# KiCad board baseboard.kicad_pcb
title: 1590N1 BASEBOARD - PCB; date: 2023-08-19; rev: A; company: Alessandro Rizzoni; note: PCB; note: DRAFT; note: AIR
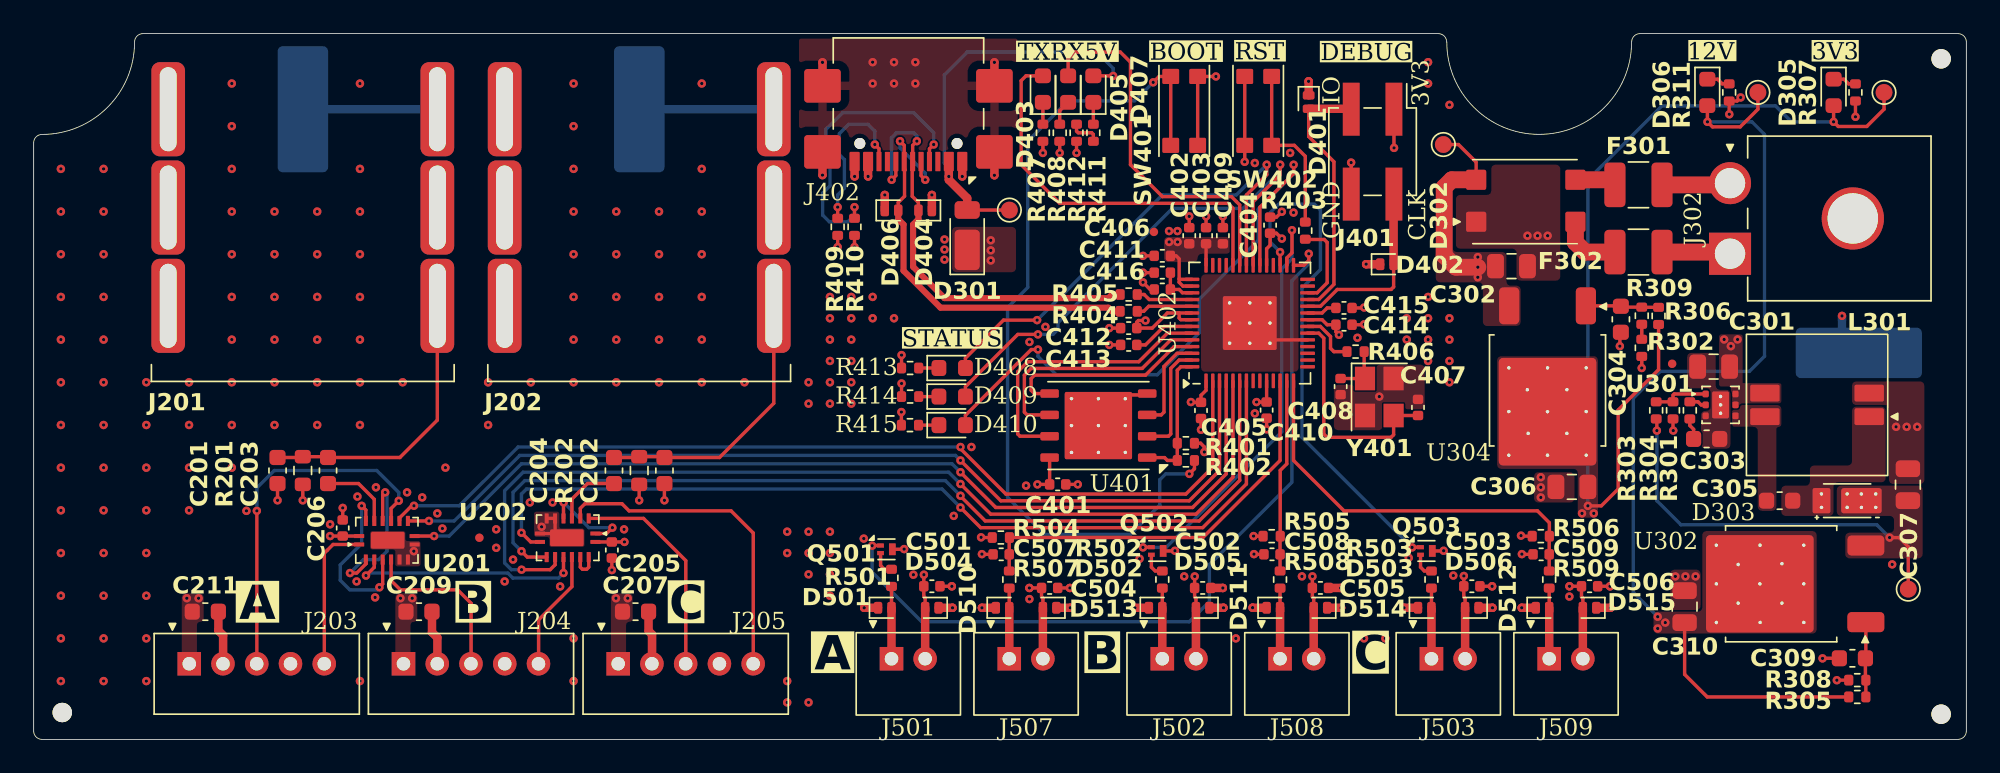
[diagram p0: board, top side]
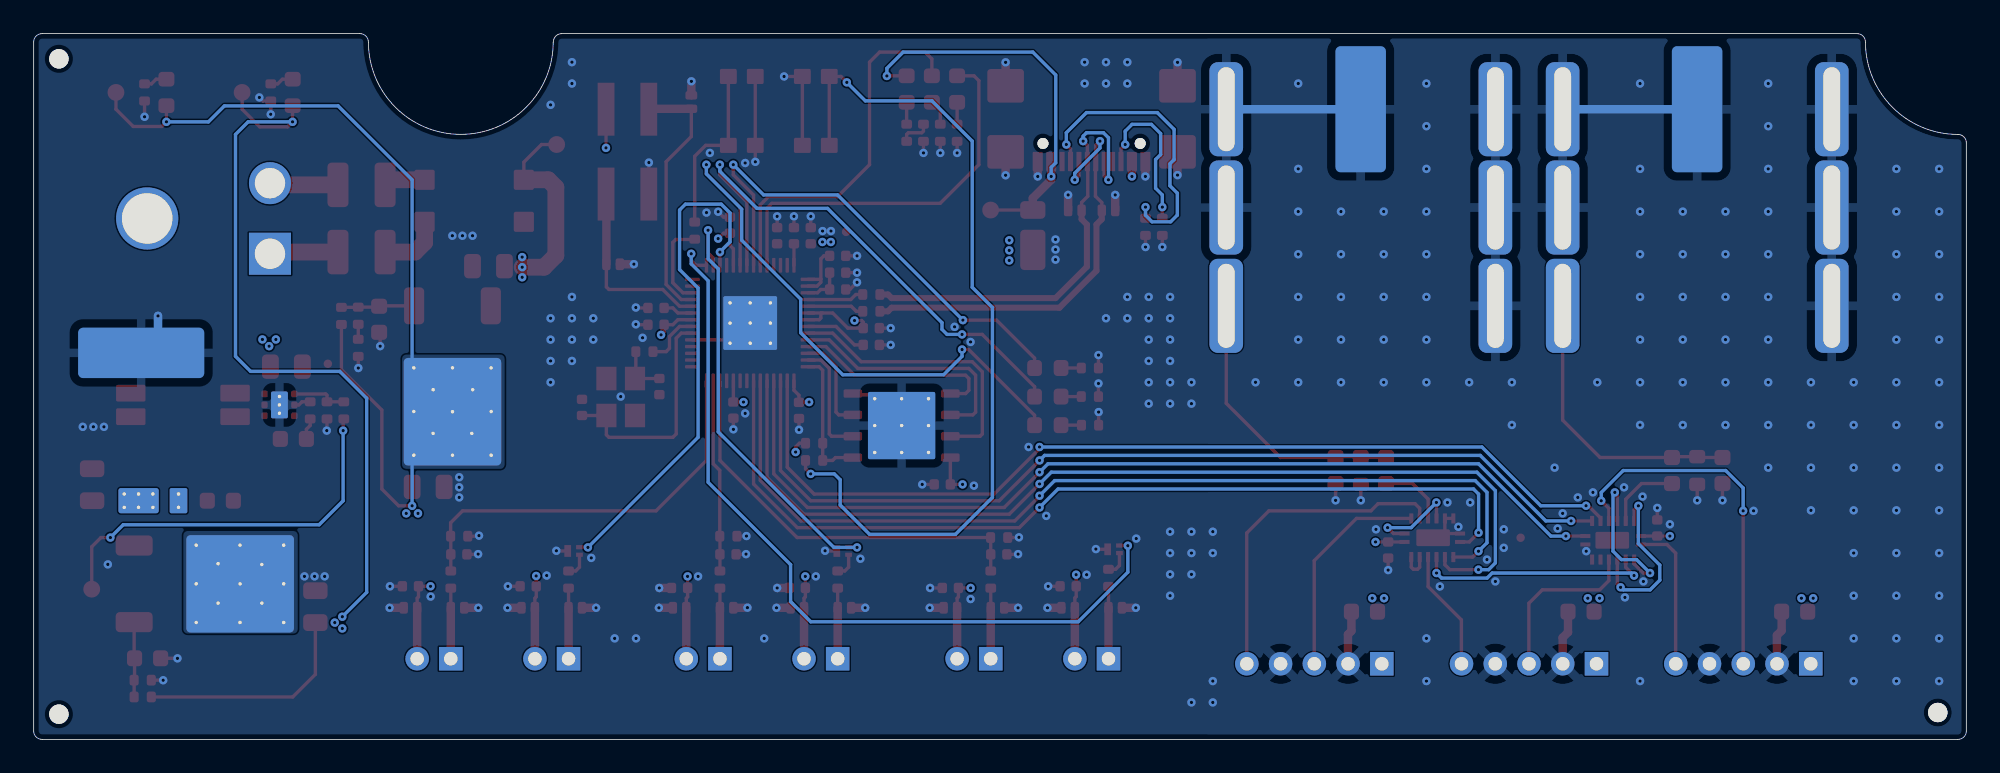
[diagram p1: board, bottom side, seen from below]

Outline 114.9 x 42 mm; copper layers: Top, In1.Cu (plane), In2.Cu (plane), Bottom. Coordinates in mm from the lower left corner of the outline.
Outline path: 83.5,42 6.5,42 arc(6.15,41.85) 6,41.5 arc(4.39,37.61) 0.5,36 arc(0.15,35.85) 0,35.5 0,0.5 arc(0.15,0.15) 0.5,0 114.4,0 arc(114.75,0.15) 114.9,0.5 114.9,41.5 arc(114.75,41.85) 114.4,42 95.5,42 arc(95.15,41.85) 95,41.5 ; 83.51,42 arc(83.86,41.85) 84.01,41.5 ; 95,41.49 arc(89.5,36.01) 84.01,41.5
Stack: Top 0.035mm / dielectric 0.1mm FR4 er 4.5 / In1.Cu 0.0152mm / dielectric 1.2796mm Copper er 4.5 / In2.Cu 0.0152mm / dielectric 0.1mm FR4 er 4.5 / Bottom 0.035mm

## Placement (name value [footprint] x y rotation side)
C201  150p  [C_0603_1608Metric]  14.5 16 270 top
C202  150p  [C_0603_1608Metric]  37.5 16 270 top
C203  39n  [C_0603_1608Metric]  17.5 16 270 top
C204  39n  [C_0603_1608Metric]  34.5 16 270 top
C205  100n  [C_0402_1005Metric]  34.38 11.27 270 top
C206  100n  [C_0402_1005Metric]  18.38 12.58 90 top
C207  1u  [C_0603_1608Metric]  35.78 7.6 180 top
C209  1u  [C_0603_1608Metric]  22.91 7.6 180 top
C211  1u  [C_0603_1608Metric]  10.21 7.6 180 top
C301  12u  [C_0805_2012Metric]  99.87 22.18 0 top
C302  12u  [C_0805_2012Metric]  87.86 28.16 180 top
C303  680p  [C_0603_1608Metric]  99.46 17.88 0 top
C304  1u  [C_0603_1608Metric]  94.36 25 90 top
C305  1u  [C_0603_1608Metric]  103.8 14.21 0 top
C306  12u  [C_0805_2012Metric]  91.45 15.03 0 top
C307  12u  [C_0805_2012Metric]  111.43 15.15 270 top
C309  1u  [C_0603_1608Metric]  108.12 4.83 0 top
C310  12u  [C_0805_2012Metric]  98.15 7.9 270 top
C401  100n  [C_0402_1005Metric]  60.88 15.17 0 top
C402  100n  [C_0402_1005Metric]  68.7 29.97 90 top
C403  100n  [C_0402_1005Metric]  69.7 29.98 90 top
C404  100n  [C_0402_1005Metric]  73.51 30.6 90 top
C405  100n  [C_0402_1005Metric]  69.4 19.58 270 top
C406  100n  [C_0402_1005Metric]  67.1 28.77 180 top
C407  15p  [C_0402_1005Metric]  82.3 19.75 270 top
C408  15p  [C_0402_1005Metric]  77.7 20.99 90 top
C409  100n  [C_0402_1005Metric]  70.7 29.98 90 top
C410  100n  [C_0402_1005Metric]  73.3 19.59 270 top
C411  1u  [C_0402_1005Metric]  67.1 27.77 180 top
C412  100n  [C_0402_1005Metric]  65.1 24.47 180 top
C413  100n  [C_0402_1005Metric]  65.1 23.48 180 top
C414  1u  [C_0402_1005Metric]  77.9 24.67 0 top
C415  100n  [C_0402_1005Metric]  77.9 25.67 0 top
C416  100n  [C_0402_1005Metric]  67.1 26.78 180 top
C501  100n  [C_0402_1005Metric]  53.4 9.11 180 top
C502  100n  [C_0402_1005Metric]  69.5 9.01 180 top
C503  100n  [C_0402_1005Metric]  85.5 9.11 180 top
C504  100n  [C_0402_1005Metric]  60.4 9.01 180 top
C505  100n  [C_0402_1005Metric]  76.5 9.01 180 top
C506  100n  [C_0402_1005Metric]  92.5 9.11 180 top
C507  1u  [C_0402_1005Metric]  57.52 11.01 0 top
C508  1u  [C_0402_1005Metric]  73.62 11.01 0 top
C509  1u  [C_0402_1005Metric]  89.62 11.01 0 top
D301  DFLS240L-7  [D_PowerDI-123]  55.5 29.98 90 top
D302  CD-HD2004  [BOURNS_CD_HD2x]  89.16 32 90 top
D303  DFLS240L-7  [D_PowerDI-123_THERMAL_PAD]  107.81 14.2 180 top
D305  RED  [LED_0603_1608Metric]  107.01 38.5 270 top
D306  RED  [LED_0603_1608Metric]  99.5 38.5 270 top
D401  DESD3V3S1BL-7B  [D_SOD-882D]  75.8 37.92 270 top
D402  DESD3V3S1BL-7B  [D_SOD-882D]  80.45 28.28 0 top
D403  GREEN  [LED_0603_1608Metric]  60 38.7 90 top
D404  DESD3V3S1BL-7B  [D_SOD-882D]  53 31.48 180 top
D405  YELLOW  [LED_0603_1608Metric]  61.5 38.7 90 top
D406  DESD3V3S1BL-7B  [D_SOD-882D]  51 31.48 0 top
D407  RED  [LED_0603_1608Metric]  63 38.7 90 top
D408  GREEN  [LED_0603_1608Metric]  54.61 22.1 0 top
D409  YELLOW  [LED_0603_1608Metric]  54.61 20.4 0 top
D410  RED  [LED_0603_1608Metric]  54.61 18.7 0 top
D501  DESD3V3S1BL-7B  [D_SOD-882D]  50.6 7.83 0 top
D502  DESD3V3S1BL-7B  [D_SOD-882D]  66.7 7.83 0 top
D503  DESD3V3S1BL-7B  [D_SOD-882D]  82.7 7.83 0 top
D504  DESD3V3S1BL-7B  [D_SOD-882D]  53.4 7.83 180 top
D505  DESD3V3S1BL-7B  [D_SOD-882D]  69.5 7.83 180 top
D506  DESD3V3S1BL-7B  [D_SOD-882D]  85.5 7.83 180 top
D510  DESD3V3S1BL-7B  [D_SOD-882D]  57.6 7.83 0 top
D511  DESD3V3S1BL-7B  [D_SOD-882D]  73.7 7.83 0 top
D512  DESD3V3S1BL-7B  [D_SOD-882D]  89.7 7.83 0 top
D513  DESD3V3S1BL-7B  [D_SOD-882D]  60.4 7.83 180 top
D514  DESD3V3S1BL-7B  [D_SOD-882D]  76.5 7.83 180 top
D515  DESD3V3S1BL-7B  [D_SOD-882D]  92.5 7.83 180 top
F301  MF-USHT020KX-2  [Fuse_1210_3225Metric]  95.41 33 180 top
F302  MF-USHT020KX-2  [Fuse_1210_3225Metric]  95.41 29 0 top
FID201  FIDUCIAL  [Fiducial_0.5mm_Mask1mm]  26.5 12 0 top
FID301  FIDUCIAL  [Fiducial_0.5mm_Mask1mm]  97.41 22.35 90 top
FID401  FIDUCIAL  [Fiducial_0.5mm_Mask1mm]  66.6 30.2 90 top
G201  CHASSIS  [Harwin_EMI_Finger_S7061-46R]  16.01 37.5 180 bottom
G202  CHASSIS  [Harwin_EMI_Finger_S7061-46R]  36.01 37.5 180 bottom
G301  CHASSIS  [Harwin_EMI_Finger_S7061-46R]  108.51 23 90 bottom
H501  MountingHole  [JLC_Tooling_hole]  1.7 1.6 0 top
H502  MountingHole  [JLC_Tooling_hole]  113.4 1.5 0 top
H503  MountingHole  [JLC_Tooling_hole]  113.4 40.5 0 top
J201  ACJS-IHS  [Amphenol_ACJS-IHS]  16 31.3 0 top
J202  ACJS-IHS  [Amphenol_ACJS-IHS]  36 31.3 0 top
J203  59453-121110ECHLF  [TE_6-440054-5]  13.26 4.5 0 top
J204  59453-121110ECHLF  [TE_6-440054-5]  26 4.5 0 top
J205  59453-121110ECHLF  [TE_6-440054-5]  38.76 4.5 0 top
J302  1726480102  [MOLEX_MINIFITJR_RA_2P_1726480102]  106.25 31 90 top
J401  2x2 PIN HEADER  [PinHeader_2x02_P2.54mm_Vertical_SMD]  79.6 34.97 270 top
J402  USB4105-GF-A  [GCT_USB4110GFA]  52.01 35.46 180 top
J501  6-440054-2  [TE_HPI_2.0MM_PITCH_MALE_HEADER_2POS]  52 3.95 180 top
J502  6-440054-2  [TE_HPI_2.0MM_PITCH_MALE_HEADER_2POS]  68.1 3.95 180 top
J503  6-440054-2  [TE_HPI_2.0MM_PITCH_MALE_HEADER_2POS]  84.1 3.95 180 top
J507  6-440054-2  [TE_HPI_2.0MM_PITCH_MALE_HEADER_2POS]  59 3.95 180 top
J508  6-440054-2  [TE_HPI_2.0MM_PITCH_MALE_HEADER_2POS]  75.1 3.95 180 top
J509  6-440054-2  [TE_HPI_2.0MM_PITCH_MALE_HEADER_2POS]  91.1 3.95 180 top
L301  22u  [EATON_DRQ73-220-R]  106.03 19.91 180 top
Q501  DMN62D0LFB-7  [Diodes_DFN1006-3]  50.7 11.31 0 top
Q502  DMN62D0LFB-7  [Diodes_DFN1006-3]  66.8 11.21 0 top
Q503  DMN62D0LFB-7  [Diodes_DFN1006-3]  82.8 11.21 0 top
R201  1M  [R_0603_1608Metric]  16 16 270 top
R202  1M  [R_0603_1608Metric]  36 16 270 top
R301  10k  [R_0402_1005Metric]  98.46 19.58 270 top
R302  750  [R_0402_1005Metric]  95.6 23.3 270 top
R303  113k  [R_0402_1005Metric]  96.46 19.58 90 top
R304  10k  [R_0402_1005Metric]  97.46 19.58 270 top
R305  1k  [R_0402_1005Metric]  108.41 2.53 180 top
R306  1k  [R_0402_1005Metric]  96.6 25.2 270 top
R307  120  [R_0402_1005Metric]  108.31 38.5 270 top
R308  8.25k  [R_0402_1005Metric]  108.42 3.53 0 top
R309  750  [R_0402_1005Metric]  95.6 25.21 270 top
R311  750  [R_0402_1005Metric]  100.8 38.5 270 top
R401  10k  [R_0402_1005Metric]  68.5 17.62 180 top
R402  1k  [R_0402_1005Metric]  68.5 16.6 180 top
R403  1k  [R_0402_1005Metric]  75.6 30.27 270 top
R404  27.4  [R_0402_1005Metric]  65.1 25.47 0 top
R405  27.4  [R_0402_1005Metric]  65.1 26.47 0 top
R406  1k  [R_0402_1005Metric]  78.59 23.08 180 top
R407  120  [R_0402_1005Metric]  60 36.1 270 top
R408  120  [R_0402_1005Metric]  61 36.1 270 top
R409  5.1k  [R_0402_1005Metric]  47.8 30.5 90 top
R410  5.1k  [R_0402_1005Metric]  48.8 30.5 90 top
R411  120  [R_0402_1005Metric]  63 36.1 270 top
R412  120  [R_0402_1005Metric]  62 36.1 270 top
R413  120  [R_0402_1005Metric]  52.11 22.1 180 top
R414  120  [R_0402_1005Metric]  52.11 20.4 180 top
R415  120  [R_0402_1005Metric]  52.1 18.7 180 top
R501  120  [R_0402_1005Metric]  51 9.61 90 top
R502  120  [R_0402_1005Metric]  67.1 9.51 90 top
R503  120  [R_0402_1005Metric]  83.1 9.51 90 top
R504  10k  [R_0402_1005Metric]  57.5 12.01 0 top
R505  10k  [R_0402_1005Metric]  73.6 12.09 0 top
R506  10k  [R_0402_1005Metric]  89.6 12.09 0 top
R507  120  [R_0402_1005Metric]  58 9.51 90 top
R508  120  [R_0402_1005Metric]  74.1 9.51 90 top
R509  120  [R_0402_1005Metric]  90.1 9.51 90 top
SW401  SW_PUSH  [KMR441NG LFS]  68.4 37.4 270 top
SW402  SW_PUSH  [KMR441NG LFS]  72.8 37.4 90 top
TP302  TEST POINT  [TestPoint_Pad_D1.0mm]  110.01 38.5 0 top
TP303  TEST POINT  [TestPoint_Pad_D1.0mm]  102.51 38.5 0 top
TP304  TEST POINT  [TestPoint_Pad_D1.0mm]  111.45 8.94 90 top
TP305  TEST POINT  [TestPoint_Pad_D1.0mm]  83.81 35.4 0 top
TP401  TEST POINT  [TestPoint_Pad_D1.0mm]  58.01 31.5 0 top
U201  TMUX4053  [Texas_BQB0016A_WQFN-16]  21.05 11.8 90 top
U202  TMUX4053  [Texas_BQB0016A_WQFN-16]  31.7 12.05 270 top
U301  TPS61170  [WSON-6-1EP_2x2mm_P0.65mm_EP1x1.6mm_ThermalVias]  100.29 19.91 0 top
U302  NCP1117  [TO-252-2_THERMAL_PAD]  103.88 9.26 180 top
U304  NCP1117  [TO-252-2_THERMAL_PAD]  90 20.76 270 top
U401  AT25SF128A-MHB-T  [DFN-8-1EP_6x5mm_P1.27mm_EP4x4mm_Thermal_vias]  63.3 18.67 180 top
U402  RP2040  [QFN-56-1EP_7x7mm_P0.4mm_EP3.2x3.2mm_Thermal_Vias]  72.3 24.77 90 top
Y401  ABM8-272-T3  [Crystal_SMD_Abracon_ABM8G-4Pin_3.2x2.5mm]  80 20.38 270 top

## Library data of the parts
C201-C204 C303 = -: Description: Unpolarized capacitor; Note 1: 30V; Note 2: C0G(NP0); ki_fp_filters: C_*
C205 C206 C401-C406 C409-C416 C501-C509 = -: Description: Unpolarized capacitor; ki_fp_filters: C_*
C207 C209 C211 C301 C302 C304-C307 C309 C310 = -: Description: Unpolarized capacitor; Note 1: 30V; ki_fp_filters: C_*
C407 C408 = -: Description: Unpolarized capacitor; Note 2: C0G(NP0); Note 1: 30V; ki_fp_filters: C_*
D301 D303 = -: Description: Schottky diode, filled shape; Manufacturer: Diodes Inc.; Manufacturer (Alternate): Diodes Inc.; Part Number (Alternate): DFLS260L-7; ki_fp_filters: TO-???* *_Diode_* *SingleDiode* D_*
D302 = -: Description: Diode bridge, -ve/AC/AC/+ve; Manufacturer: Bourns; Manufacturer (Alternate): Bourns; Part Number (Alternate): CD-HD2006; ki_fp_filters: D*Bridge* D*Rectifier*
D305 D306 D407 D410 = -: Description: Light emitting diode, filled shape; Manufacturer: Wurth; Part Number: 150060RS75000; Manufacturer (Alternate): Lite-On Inc.; Part Number (Alternate): LTST-C193KRKT-5A; ki_fp_filters: LED* LED_SMD:* LED_THT:*
D401 D402 D404 D406 D501-D506 D510-D515 = -: Description: Bidirectional transient-voltage-suppression diode, filled shape; Manufacturer: Diodes Inc.; Manufacturer (Alternate): Diodes Inc.; Part Number (Alternate): DESD3V3E1BL-7B; ki_fp_filters: TO-???* *_Diode_* *SingleDiode* D_*
D403 D408 = -: Description: Light emitting diode, filled shape; Manufacturer: Wurth; Part Number: 150060VS75000; Manufacturer (Alternate): Lite-On Inc.; Part Number (Alternate): LTST-C193KGKT-5A; ki_fp_filters: LED* LED_SMD:* LED_THT:*
D405 D409 = -: Description: Light emitting diode, filled shape; Manufacturer: Wurth; Part Number: 150060YS75000; Manufacturer (Alternate): Lite-On Inc.; Part Number (Alternate): LTST-C193KSKT-5A; ki_fp_filters: LED* LED_SMD:* LED_THT:*
F301 F302 = -: Description: Resettable fuse, polymeric positive temperature coefficient; Manufacturer: Bourns; Manufacturer (Alternate): Bourns; Part Number (Alternate): MF-NSHT020KX-2; ki_fp_filters: *polyfuse* *PTC*
FID201 FID301 FID401 = -: Description: Fiducial Marker; Manufacturer: N/A; Part Number: N/A; Manufacturer (Alternate): N/A; Part Number (Alternate): N/A; ki_fp_filters: Fiducial*
G201 G202 G301 = -: Datasheet: https://cdn.harwin.com/pdfs/Harwin_Product_Catalog_page_281.pdf; Description: Power symbol creates a global label with name "Chassis" , chassis ground; Manufacturer: Harwin; Part Number: S7061-46R; Manufacturer (Alternate): Harwin; Part Number (Alternate): S7061-42R
H501-H503 = -: Description: Mounting Hole without connection; ki_fp_filters: MountingHole*
J201 J202 = -: Description: Audio Jack, 3 Poles (Stereo / TRS), Switched Poles (Normalling); Manufacturer: Amphenol Audio; Manufacturer (Alternate): Amphenol; Part Number (Alternate): ACJS-MHS; ki_fp_filters: Jack*
J203-J205 = -: Description: Generic connector, single row, 01x05, script generated (kicad-library-utils/schlib/autogen/connector/); Manufacturer: Amphenol ICC; Manufacturer (Alternate): Amphenol ICC; Part Number (Alternate): 59453-121110EDHLF; ki_fp_filters: Connector*:*_1x??_*
J302 = -: Description: Generic connector, single row, 01x02, script generated; Part Number (Alternate): N/A; Manufacturer (Alternate): N/A; Manufacturer: Molex; ki_fp_filters: Connector*:*_1x??_*
J401 = -: Description: Generic connector, single row, 01x04, script generated; Manufacturer: Sullins Connector Solutions; Part Number: GEC02DABN-M30; Manufacturer (Alternate): Harwin; Part Number (Alternate): M20-8760246P; ki_fp_filters: Connector*:*_1x??_*
J402 = -: Datasheet: https://www.usb.org/sites/default/files/documents/usb_type-c.zip; Description: USB-C (USB TYPE-C) USB 2.0 Receptacle Connector 24 (16+8 Dummy) Position Surface Mount, Right Angle; Through Hole; Manufacturer: GCT; Manufacturer (Alternate): Molex; Part Number (Alternate): 2171790001; MF: GCT; Description_1: USB-C (USB TYPE-C) USB 2.0 Receptacle Connector 24 (16+8 Dummy) Position Surface Mount, Right Angle; Through Hole; Package: None; Price: None; MP: USB4110GFA; Availability: In Stock
J501-J503 J507-J509 = -: Description: Generic connector, single row, 01x02, script generated; Manufacturer: TE Connectivity AMP Connectors; Manufacturer (Alternate): JST; Part Number (Alternate): B2B-PH-K-S; ki_fp_filters: Connector*:*_1x??_*
L301 = -: Description: Inductor; Manufacturer: Eaton; Part Number: DRQ73-220-R; Manufacturer (Alternate): N/A; Part Number (Alternate): N/A; ki_fp_filters: Choke_* *Coil* Inductor_* L_*
Q501-Q503 = -: Description: N-MOSFET transistor, gate/drain/source; Manufacturer: Diodes Inc.; Manufacturer (Alternate): Diodes Inc.; Part Number (Alternate): DMN62D1LFB-7
R201 R202 = -: Description: Resistor, US symbol; Note 1: Metal Film; ki_fp_filters: R_*
R301-R309 R311 R401-R415 R501-R509 = -: Description: Resistor, US symbol; ki_fp_filters: R_*
SW401 SW402 = -: Description: Push button switch, generic, two pins; Manufacturer: C&K; Part Number: KMR441NG LFS; Manufacturer (Alternate): C&K; Part Number (Alternate): KMR441G LFS
TP302-TP305 TP401 = -: Description: test point; Manufacturer: N/A; Part Number: N/A; Manufacturer (Alternate): N/A; Part Number (Alternate): N/A; ki_fp_filters: Pin* Test*
U201 U202 = -: Datasheet: https://www.ti.com/lit/ds/symlink/tmux4053.pdf?ts=1715636648226&ref_url=https%253A%252F%252Fwww.ti.com%252Fproduct%252FTMUX4053; Manufacturer: Texas Instruments; Part Number: TMUX4053BQBR; Manufacturer (Alternate): Nexperia; Part Number (Alternate): 74HC4053BQ,115
U301 = -: Datasheet: https://www.ti.com/lit/ds/symlink/tps61170.pdf?HQS=dis-dk-null-digikeymode-dsf-pf-null-wwe&ts=1714356310390&ref_url=https%253A%252F%252Fwww.ti.com%252Fgeneral%252Fdocs%252Fsuppproductinfo.tsp%253FdistId%253D10%2526gotoUrl%253Dhttps%253A%252F%252Fwww.ti.com%252Flit%252Fgpn%252Ftps61170; Manufacturer: Texas Instruments; Manufacturer (Alternate): Texas Instruments; Part Number: TPS61170DRVR; Part Number (Alternate): TPS61170DRVRQ1
U302 U304 = -: Datasheet: http://www.onsemi.com/pub_link/Collateral/NCP1117-D.PDF; Description: 1A Low drop-out regulator, Adjustable Output 1.25 - 18.8V, TO-252 (DPAK); ki_fp_filters: TO?252*
U401 = -: Datasheet: http://ww1.microchip.com/downloads/en/DeviceDoc/Atmel-8707-SEEPROM-AT25010B-020B-040B-Datasheet.pdf; Description: Microchip SPI Serial EEPROM, DFN8; Manufacturer: Renesas; Manufacturer (Alternate): Renesas; Part Number (Alternate): AT25QF128A-MHB-T; ki_fp_filters: DFN*3x2mm*P0.5mm*
U402 = -: Datasheet: https://datasheets.raspberrypi.com/rp2040/rp2040-datasheet.pdf; Description: A microcontroller by Raspberry Pi; Manufacturer: Raspberry Pi; Manufacturer (Alternate): N/A; Part Number: SC0914(13); Part Number (Alternate): N/A; ki_fp_filters: QFN*1EP*7x7mm?P0.4mm*
Y401 = -: Description: Four pin crystal, GND on pins 2 and 4; Manufacturer: Abracon; Manufacturer (Alternate): N/A; Part Number (Alternate): N/A; ki_fp_filters: Crystal*

## Footprints (pads in the part's own frame, mm; a bottom-side part is the same pattern mirrored in y, then rotated)
Amphenol_ACJS-IHS
  rrect 2x5.6 hole 1x5: R(8,0.35) RN(-8,0.35) S(8,6.2) SN(-8,6.2) T(8,-5.5) TN(-8,-5.5)
BOURNS_CD_HD2x
  rrect 1.2x1.2 smd: 1(-1.2,3.4) 2(-1.2,-2.5) 3(1.3,-2.5) 4(1.3,3.4)
C_0402_1005Metric
  rrect 0.56x0.62 smd: 1(-0.48,0) 2(0.48,0)
C_0603_1608Metric
  rrect 0.9x0.95 smd: 1(-0.775,0) 2(0.775,0)
C_0805_2012Metric
  rrect 1x1.45 smd: 1(-0.95,0) 2(0.95,0)
Crystal_SMD_Abracon_ABM8G-4Pin_3.2x2.5mm
  rect 1.4x1.2 smd: 1(-1.1,-0.85) 2(1.1,-0.85) 3(1.1,0.85) 4(-1.1,0.85)
D_PowerDI-123
  rrect 2.4x1.5 smd: 1(-0.85,0)
  rrect 1.05x1.5 smd: 2(1.525,0)
D_PowerDI-123_THERMAL_PAD
  rrect 1.05x0.6 smd: (-1.45,0.375) (-1.45,-0.375) (-0.25,0.375) (-0.25,-0.375)
  rrect 0.9x0.6 smd: (1.525,0.375) (1.525,-0.375)
  round 0.5 hole 0.2: 1(-1.7,0.4) 1(-1.7,-0.4) 1(-0.85,0.4) 1(-0.85,-0.4) 1(0,0.4) 1(0,-0.4) 2(1.525,0.4) 2(1.525,-0.4)
  rrect 2.4x1.5 smd: 1(-0.85,0)
  rrect 2.4x1.5 smd far side: 1(-0.85,0)
  rrect 1.05x1.5 smd: 2(1.525,0)
  rrect 1.05x1.5 smd far side: 2(1.525,0)
D_SOD-882D
  rrect 0.3x0.6 smd: (-0.35,0) (0.35,0)
  rrect 0.5x0.7 smd: 1(-0.4,0) 2(0.4,0)
DFN-8-1EP_6x5mm_P1.27mm_EP4x4mm_Thermal_vias
  rect 0.8x0.8 smd: (-1.5,1.5) (-1.5,0.5) (-1.5,-0.5) (-1.5,-1.5) (-0.5,1.5) (-0.5,0.5) (-0.5,-0.5) (-0.5,-1.5) (0.5,1.5) (0.5,0.5) (0.5,-0.5) (0.5,-1.5) (1.5,1.5) (1.5,0.5) (1.5,-0.5) (1.5,-1.5)
  rrect 1.1x0.5 smd: 1(-2.9,1.905) 2(-2.9,0.635) 3(-2.9,-0.635) 4(-2.9,-1.905) 5(2.9,-1.905) 6(2.9,-0.635) 7(2.9,0.635) 8(2.9,1.905)
  round 0.5 hole 0.2: 9(-1.6,1.6) 9(-1.6,0) 9(-1.6,-1.6) 9(0,1.6) 9(0,0) 9(0,-1.6) 9(1.6,1.6) 9(1.6,0) 9(1.6,-1.6)
  rrect 4x4 smd: 9(0,0)
  rrect 4x4 smd far side: 9(0,0)
Diodes_DFN1006-3
  rect 0.4x0.25 smd: 1(-0.35,0.225) 2(-0.35,-0.225)
  rect 0.4x0.7 smd: 3(0.35,0)
EATON_DRQ73-220-R
  rrect 1.75x1 smd: 1(-3.1,0.7) 2(-3.1,-0.7) 3(3.1,0.7) 4(3.1,-0.7)
Fiducial_0.5mm_Mask1mm
  round 0.5 smd: (0,0)
Fuse_1210_3225Metric
  rrect 1.25x2.65 smd: 1(-1.4,0) 2(1.4,0)
GCT_USB4110GFA
  round 0.65 hole 0.65 unplated: (-2.89,0) (2.89,0)
  rrect 0.6x1.15 smd: A1/B12(-3.2,1.075) A4/B9(-2.4,1.075) B1/A12(3.2,1.075) B4/A9(2.4,1.075)
  rrect 0.3x1.15 smd: A5(-1.25,1.075) A6(-0.25,1.075) A7(0.25,1.075) A8(1.25,1.075) B5(1.75,1.075) B6(0.75,1.075) B7(-0.75,1.075) B8(-1.75,1.075)
  rrect 2.18x2 smd: S1(-5.11,0.5) S2(5.11,0.5) S3(-5.11,-3.43) S4(5.11,-3.43)
Harwin_EMI_Finger_S7061-46R
  rrect 3x7.5 smd: 1(0,0)
JLC_Tooling_hole
  round 1.152 hole 1.152 unplated: (0,0)
KMR441NG LFS
  rrect 0.9x1 smd: 1(-2.05,0.8) 2(-2.05,-0.8) 3(2.05,-0.8) 4(2.05,0.8)
LED_0603_1608Metric
  rrect 0.875x0.95 smd: 1(-0.787,0) 2(0.787,0)
MOLEX_MINIFITJR_RA_2P_1726480102
  round 3.7 hole 3 unplated: (0,-1.9)
  rect 2.5x2.5 hole 1.8: 1(-2.1,5.4)
  round 2.5 hole 1.8: 2(2.1,5.4)
PinHeader_2x02_P2.54mm_Vertical_SMD
  rect 3.15x1 smd: 1(-2.525,1.27) 2(2.525,1.27) 3(-2.525,-1.27) 4(2.525,-1.27)
QFN-56-1EP_7x7mm_P0.4mm_EP3.2x3.2mm_Thermal_Vias
  rrect 1.29x1.29 smd: (-0.8,0.8) (-0.8,-0.8) (0.8,0.8) (0.8,-0.8)
  rrect 0.875x0.2 smd: 1(-3.438,2.6) 2(-3.438,2.2) 3(-3.438,1.8) 4(-3.438,1.4) 5(-3.438,1) 6(-3.438,0.6) 7(-3.438,0.2) 8(-3.438,-0.2) 9(-3.438,-0.6) 10(-3.438,-1) 11(-3.438,-1.4) 12(-3.438,-1.8) 13(-3.438,-2.2) 14(-3.438,-2.6) 29(3.438,-2.6) 30(3.438,-2.2) 31(3.438,-1.8) 32(3.438,-1.4) 33(3.438,-1) 34(3.438,-0.6) 35(3.438,-0.2) 36(3.438,0.2) 37(3.438,0.6) 38(3.438,1) 39(3.438,1.4) 40(3.438,1.8) 41(3.438,2.2) 42(3.438,2.6)
  rrect 0.2x0.875 smd: 15(-2.6,-3.438) 16(-2.2,-3.438) 17(-1.8,-3.438) 18(-1.4,-3.438) 19(-1,-3.438) 20(-0.6,-3.438) 21(-0.2,-3.438) 22(0.2,-3.438) 23(0.6,-3.438) 24(1,-3.438) 25(1.4,-3.438) 26(1.8,-3.438) 27(2.2,-3.438) 28(2.6,-3.438) 43(2.6,3.438) 44(2.2,3.438) 45(1.8,3.438) 46(1.4,3.438) 47(1,3.438) 48(0.6,3.438) 49(0.2,3.438) 50(-0.2,3.438) 51(-0.6,3.438) 52(-1,3.438) 53(-1.4,3.438) 54(-1.8,3.438) 55(-2.2,3.438) 56(-2.6,3.438)
  round 0.5 hole 0.2: 57(-1.2,1.2) 57(-1.2,0) 57(-1.2,-1.2) 57(0,1.2) 57(0,0) 57(0,-1.2) 57(1.2,1.2) 57(1.2,0) 57(1.2,-1.2)
  rrect 3.2x3.2 smd: 57(0,0)
  rrect 3.2x3.2 smd far side: 57(0,0)
R_0402_1005Metric
  rrect 0.54x0.64 smd: 1(-0.51,0) 2(0.51,0)
R_0603_1608Metric
  rrect 0.8x0.95 smd: 1(-0.825,0) 2(0.825,0)
TE_6-440054-5
  rect 1.4x1.4 hole 0.8: 1(-4.013,0)
  round 1.4 hole 0.8: 2(-2.006,0) 3(0,0) 4(2.007,0) 5(4.013,0)
TE_HPI_2.0MM_PITCH_MALE_HEADER_2POS
  rect 1.4x1.4 hole 0.8: 1(1,-0.85)
  round 1.4 hole 0.8: 2(-1,-0.85)
TestPoint_Pad_D1.0mm
  round 1 smd: 1(0,0)
Texas_BQB0016A_WQFN-16
  rrect 0.8x0.85 smd: (0.05,0.525) (0.05,-0.425)
  rrect 0.24x0.6 smd: 1(-0.2,1.7) 8(-0.2,-1.6) 9(0.3,-1.6) 16(0.3,1.7)
  rrect 0.6x0.24 smd: 2(-1.1,1.3) 3(-1.1,0.8) 4(-1.1,0.3) 5(-1.1,-0.2) 6(-1.1,-0.7) 7(-1.1,-1.2) 10(1.2,-1.2) 11(1.2,-0.7) 12(1.2,-0.2) 13(1.2,0.3) 14(1.2,0.8) 15(1.2,1.3)
  rrect 1x2 smd: 17(0.05,0)
TO-252-2_THERMAL_PAD
  rrect 2.81x2.45 smd: (-0.295,1.375) (-0.295,-1.375)
  rrect 2.79x2.45 smd: (2.805,1.375) (2.805,-1.375)
  rrect 2.2x1.2 smd: 1(-5.04,2.28) 3(-5.04,-2.28)
  round 0.5 hole 0.2: 2(-1.35,2.3) 2(-1.35,0) 2(-1.35,-2.3) 2(-0.05,1.15) 2(-0.05,-1.2) 2(1.25,2.3) 2(1.25,-2.3) 2(1.26,0) 2(2.55,1.15) 2(2.55,-1.15) 2(3.85,2.3) 2(3.85,0) 2(3.85,-2.3)
  rrect 6.4x5.8 smd: 2(1.26,0)
  rrect 6.4x5.8 smd far side: 2(1.26,0)
WSON-6-1EP_2x2mm_P0.65mm_EP1x1.6mm_ThermalVias
  rrect 0.87x0.69 smd: (0,0.4) (0,-0.4)
  rrect 0.375x0.4 smd: 1(-0.887,0.65) 2(-0.887,0) 3(-0.887,-0.65) 4(0.887,-0.65) 5(0.887,0) 6(0.887,0.65)
  round 0.5 hole 0.2: 7(0,0.5) 7(0,0) 7(0,-0.5)
  rrect 1x1.6 smd: 7(0,0)
  rrect 1x1.6 smd far side: 7(0,0)
